# Altium PCB CL-HC-M-V2.1gerber.PcbDoc (part 1 of 18) (continued)
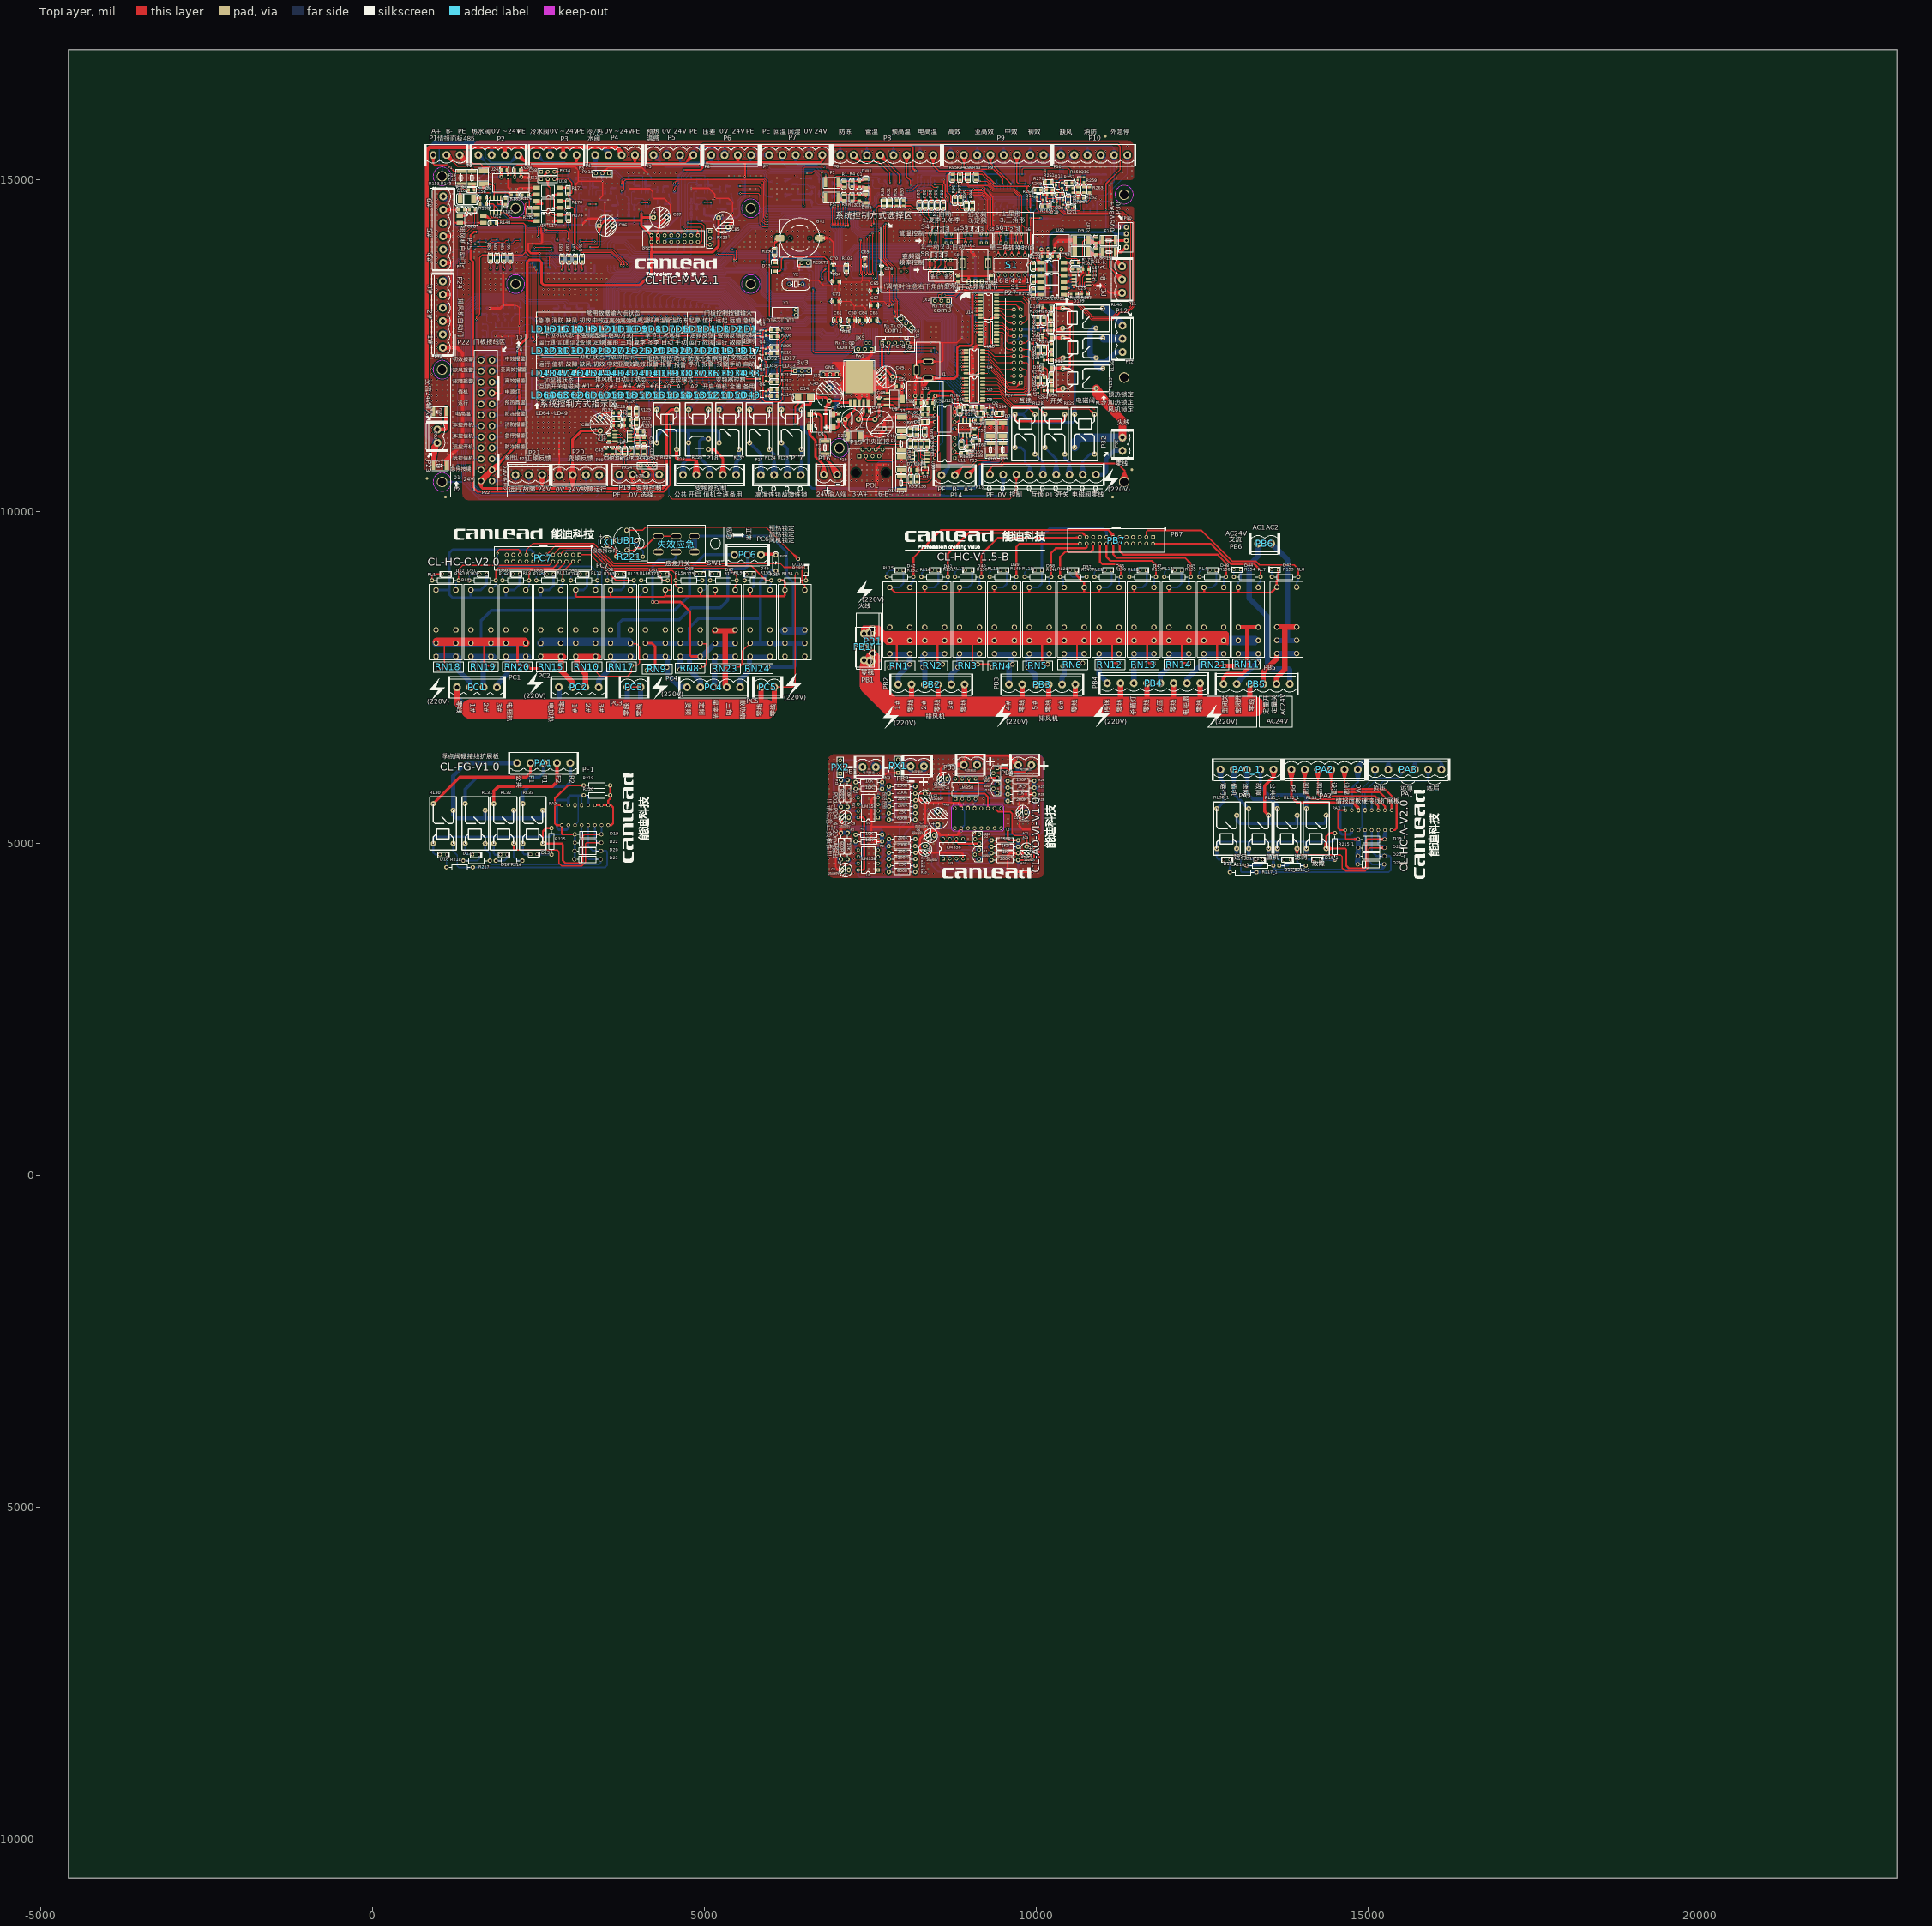
[diagram p0: TopLayer view]
## Components (designator, comment, footprint, x,y, rotation, side; value= is the part's Value field where it differs from the comment) (continued)
OP5 "PS2512-4" SO_16L 1952.76,13835.04 r0 bottom
OP6 "PS2512-4" SO_16L 1974.37,12715.16 r0 bottom
OP7 "PS2512-4" SO_16L 3052.06,12720.09 r0 bottom
OP8 "EL817" EL-817 1316.39,14453.86 r0 top
P1 "" PL3XQ#1 914.75,15370.67 r0 top (schematic designator 485-1)
P2 "热水执行" PL4XQ 1894.08,15370.67 r180 top (schematic designator 热水阀执行1)
P3 "冷水执行" PL4XQ 2774,15370.67 r180 top (schematic designator 冷水阀执行1)
P4 "冷/热水阀" PL4XQ 3653.92,15369.36 r180 top (schematic designator 冷/热水阀1)
P5 "N1000" PL4XQ 4533.84,15370.67 r180 top (schematic designator 预热温感1)
P6 "压差" PL4XQ 5403.92,15369.36 r180 top (schematic designator 压差传感器1)
P7 "回风温湿" PL5XQ 6376.36,15370.67 r180 top (schematic designator 回风温湿传感器1)
P8 "DI-3" PL8XQ 7748.32,15367.06 r0 top (schematic designator P1)
P9 "DI-2" PL8XQ 9410.72,15369.03 r0 top (schematic designator P5)
P10 "DI-1" PL6XQ 10873.71,15369.03 r0 top (schematic designator P9)
P11 "" PL3XQ#2 11295.27,13694.56 r270 top (schematic designator 485-2)
P12 "Header 3" PL3XQ#2 11302.26,12801.51 r270 top locked (schematic designator P25)
P13 "Header 9" PL9XQ 10102.22,10553.66 r0 top (schematic designator 加湿器1)
P14 "Header 4X2" RH45 7508.69,10758.66 r0 top
P15 "Header 3" PL3XQ#2 8572.38,10545.64 r0 top
P16 "power" PL2XQ 6899.97,10553.66 r0 top (schematic designator 24V)
P17 "硬接线" PL4XQ 6151.71,10550.41 r180 top (schematic designator 电柜内部1)
P18 "硬接线" PL5XQ 5077.86,10551.66 r180 top (schematic designator 变频1)
P19 "硬接线" PL4XQ 4019.56,10553.66 r0 top (schematic designator 变频2)
P20 "变频反馈" PL4XQ 3114.81,10549.2 r180 top (schematic designator 变频3)
P21 "工频反馈" PL3XQ#2 2154.81,10549.2 r0 top (schematic designator 电柜内部2)
P22 "硬接线" ATX_24PIN 1635.3,12280.18 r270 top (schematic designator 门控指示灯1)
P23 "硬接线" PL2XQ 977.49,11135.5 r90 top
P24 "自动门" PL6XQ 1058.64,12969.2 r90 top (schematic designator P14)
P25 "自动门" PL6XQ 1064.81,14249.2 r90 top (schematic designator P17)
P26 "Header 8X2" Con2*8-1mm 4201.86,14163.1 r0 top
P27 "Con2*12-1mm" FC24LX 9716.03,12493.88 r90 top
P30 "硬接线" C3-4 11356.69,14134.99 r90 top (schematic designator 220V)
P32 "硬接线" PL2XQ 11300.57,11014.37 r90 top
PA1 "情报面板与电柜输入" pl5xQ 2577.3,6208.41 r0 top (schematic designator 外?)
PA1_1 "情报面板与电柜输入" pl5xQ 13176.6,6111.98 r0 top (schematic designator 外?)
PA2 "模拟-硬连接" PL6XQ 14346.27,6111.98 r180 top (schematic designator 外?)
PA3 "外接情报面板接口1" PL6XQ 15606.6,6111.98 r0 top
PAX "Header 8X2" centipede-16 9122.68,5380.32 r90 bottom (schematic designator P19)
PAX "Header 8X2" centipede-16 3200.51,5425.71 r90 bottom (schematic designator P19)
PAX_1 "Header 8X2" centipede-16 15005.75,5350.38 r90 bottom (schematic designator P19)
PB1 "电流输出" PL2XQ 7482.5,6148.82 r180 top (schematic designator PB2)
PB1 "硬接线" 95-2P 7536.88,7861.85 r90 top (schematic designator AC24Vin2)
PB1' "硬接线" PL3X 7403.74,7758.94 r90 top (schematic designator 客户接线1)
PB2 "电流输出" PL2XQ 8208.14,6159.36 r180 top (schematic designator PB1)
PB2 "Header 6" PL6XQ 8420.57,7393.2 r0 top (schematic designator 客户接线2)
PB3 "电流输出" PL2XQ 9008.14,6181.68 r180 top
PB3 "Header 6" PL6XQ 10090.57,7393.2 r0 top (schematic designator 客户接线3)
PB4 "电流输出" PL2XQ 9828.14,6179.36 r180 top
PB4 "Header 8" PL8XQ 11770.57,7413.2 r0 top (schematic designator 杀菌/停保)
PB5 "硬接线" PL6XQ 13321.23,7400.82 r0 top (schematic designator 客接新?)
PB6 "硬接线" PL2XQ 13442.21,9519.14 r180 top (schematic designator AC24Vin2)
PB7 "Con2*12-1mm" FC24LX 11209.65,9566.19 r180 top (schematic designator P21)
PC1 "Header 4" PL4XQ 1573.04,7352.79 r0 top locked (schematic designator 再热)
PC2 "Header 4" PL4XQ 3108.04,7352.79 r0 top locked (schematic designator 预热)
PC3 "硬接线" PL2XQ 3940.56,7353.85 r180 top locked (schematic designator P24)
PC4 "硬接线" PL5XQ 5139.38,7353.85 r180 top locked (schematic designator 送风机)
PC5 "硬接线" PL2XQ 5952.76,7353.85 r180 top locked (schematic designator P24)
PC6 "Header 3" PL3XQ#2 5452.79,9348.44 r0 top locked (schematic designator 火线)
PC7 "Con2*12-1mm" FC24LX 2570.26,9298.44 r180 top (schematic designator P21)
Pw1 "LM2596-5V" LM2575 7331.74,11835.34 r0 top
PX1 "Header 3" HDR1X3 7918.14,6063.85 r90 top
PX2 "Header 3" HDR1X3 7047.6,6048.82 r90 top
PX14 "Header 3" HDR1X3 2539.14,15120.55 r0 top
PX15 "Header 3" HDR1X3 3564.16,15098.22 r180 top
PX23 "Header 3" HDR1X3 5086.21,14220.32 r270 top
PX24 "Header 3" HDR1X3 4038.92,10691.76 r0 top
Q1 "8050" TO-92-B 9108.14,4835.11 r0 top
Q1 "NPN" SOT23 8327.38,10621.06 r0 top
Q2 "8550" TO-92-B 9111.3,5068 r0 top
Q2 "NPN" SOT23 9301.04,11517.4 r0 top
Q3 "8050" TO-92-B 9386.6,5828 r0 top
Q3 "PNP" SOT23 5882.39,12685.45 r90 top
Q4 "8550" TO-92-B 9386.6,6060.72 r0 top
Q4 "PNP" SOT23 5882.39,12415.45 r90 top
Q5 "PNP" SOT23 5882.39,12000.45 r90 top
Q6 "PNP" SOT23 5882.39,11775.45 r90 top
Q13 "PNP" SOT23 10344.86,14912.6 r90 top (schematic designator Q15)
Q15 "PNP" SOT23 10501.2,14841.87 r90 top
Q16 "PNP" SOT23 10671.12,14998.51 r90 top
Q17 "NPN" SOT23 10074.39,11821.36 r270 top
Q18 "PNP" SOT23 10056.87,14734.56 r90 top
Q19 "PNP" SOT23 10205.39,14725.87 r180 top
Q20 "PNP" SOT23 10354.66,14659.43 r90 top
Q21 "NPN" SOT23 10074.39,12281.37 r270 top
Q22 "NPN" SOT23 10070.34,12727.82 r270 top
R1 "200K" AXIAL0.4 8177.61,4958.99 r180 top
R1 "20.5K" 0805R#1 7102.76,14975.04 r270 top
R2 "10K" AXIAL0.4 7676.5,5030.24 r180 top
R2 "20.5K" 0805R#1 6321.73,14697 r90 bottom
R3 "10K" AXIAL0.4 7678.07,5130.25 r180 top
R3 "20.5K" 0805R#1 7053.81,15002.19 r270 bottom
R4 "200K" AXIAL0.4 8180.05,4859.36 r180 top
R4 "10K" 0805R#1 7222.76,14895.04 r90 top
R5 "200K" AXIAL0.4 7780.58,5065.87 r0 top
R5 "10K" 0805R#1 6410.11,14782 r270 bottom
R6 "200K" AXIAL0.4 7780.58,4765.87 r0 top
R6 "10K" 0805R#1 7149.13,14917.19 r90 bottom
R7 "10K" AXIAL0.4 7157.77,4760.41 r90 top
R7 "20.5K" 0805R#1 7028.04,14684.21 r90 bottom
R8 "250" AXIAL0.4 7780.58,4665.87 r0 top
R8 "20.5K" 0805R#1 7102.76,14775.04 r270 top
R9 "600R" AXIAL0.4 7058.14,5159.36 r270 top
R9 "20.5K" 0805R#1 6313.23,14934.91 r90 bottom
R10 "600R" AXIAL0.4 8178.14,4569.36 r180 top
R10 "10K" 0805R#1 10978.86,15083.5 r270 bottom
R11 "200K" AXIAL0.4 8178.14,5749.36 r180 top
R11 "10K" 0805R#1 7138.04,14774.21 r270 bottom
R12 "10K" AXIAL0.4 7676.5,5820.25 r180 top
R12 "10K" 0805R#1 7222.76,14685.04 r90 top
R13 "10K" AXIAL0.4 7678.07,5920.25 r180 top
R13 "10K" 0805R#1 6401.61,15017.82 r270 bottom
R14 "200K" AXIAL0.4 8180.05,5649.36 r180 top
R14 "10K" 0805R#1 11063.86,15083.5 r270 bottom
R15 "200K" AXIAL0.4 7780.05,5855.5 r0 top
R15 "10K" 0805R#1 7535.63,15083.78 r270 bottom
R16 "200K" AXIAL0.4 7780.58,5555.87 r0 top
R16 "10K" 0805R#1 3222.38,14213.36 r270 bottom
R17 "10K" AXIAL0.4 7157.77,5550.41 r90 top
R17 "10K" 0805R#1 3047.38,14213.36 r270 bottom
R18 "250" AXIAL0.4 7780.05,5455.5 r0 top
R18 "10K" 0805R#1 10804.71,15083.5 r270 bottom
R19 "600R" AXIAL0.4 7058.14,5949.36 r270 top
R19 "10K" 0805R#1 10893.86,15083.5 r270 bottom
R20 "600R" AXIAL0.4 8178.14,5359.36 r180 top
R20 "10K" 0805R#1 10633.86,15083.5 r270 bottom
R21 "200K" AXIAL0.4 9727.61,4748.99 r180 top
R21 "10K" 0805R#1 10718.86,15083.5 r270 bottom
R22 "150R" AXIAL0.4 9728.66,5046.48 r180 top
R22 "10K" 0805R#1 10466.61,15080.04 r270 bottom
R23 "1K5" AXIAL0.4 9727.61,4948.99 r180 top
R23 "10K" 0805R#1 10549.71,15083.5 r270 bottom
R24 "1K" AXIAL0.4 9728.14,4852.14 r180 top
R24 "10K" 0805R#1 9749.84,15083.5 r270 bottom
R25 "200K" AXIAL0.4 9970.29,5638.99 r180 top
R25 "10K" 0805R#1 9834.84,15083.5 r270 bottom
R26 "150R" AXIAL0.4 9970.29,5938.99 r180 top
R26 "10K" 0805R#1 9575.69,15083.5 r270 bottom
R27 "1K5" AXIAL0.4 9970.29,5838.99 r180 top
R27 "10K" 0805R#1 9664.84,15083.5 r270 bottom
R28 "1K" AXIAL0.4 9971.34,5739.36 r180 top
R28 "10K" 0805R#1 9404.84,15083.5 r270 bottom
R29 "10K" 0805R#1 9489.84,15083.5 r270 bottom
R30 "10K" 0805R#1 9234.84,15083.5 r270 bottom
R31 "10K" 0805R#1 9320.69,15083.5 r270 bottom
R32 "10K" 0805R#1 8062.81,15080.95 r270 bottom
R33 "10K" 0805R#1 8152.81,15080.95 r270 bottom
R34 "10K" 0805R#1 7882.81,15080.95 r270 bottom
R35 "10K" 0805R#1 7972.81,15080.95 r270 bottom
R36 "0R" 0805R#1 7166.44,12768.25 r180 top
R37 "10K" 0805R#1 7712.81,15080.95 r270 bottom
R38 "10K" 0805R#1 7797.81,15080.95 r270 bottom
R39 "10K" 0805R#1 7706.97,14690.85 r270 top
R40 "10K" 0805R#1 3157.38,13762.95 r90 top
R41 "10K" 0805R#1 3057.38,13762.95 r90 top
R42 "10K" 0805R#1 10021.99,14504.06 r270 bottom
R43 "10K" 0805R#1 10110.9,14504.55 r270 bottom
R44 "10K" 0805R#1 10198.82,14504.06 r270 bottom
R45 "10K" 0805R#1 10426.02,14626.55 r270 bottom
R46 "10K" 0805R#1 10306.61,14995.04 r90 bottom
R47 "10K" 0805R#1 10211.61,14995.04 r90 bottom
R48 "10K" 0805R#1 10111.61,14995.04 r90 bottom
R49 "10K" 0805R#1 10016.61,14995.04 r90 bottom
R50 "10K" 0805R#1 7996.53,14692.61 r270 top
R51 "10K" 0805R#1 7896.53,14692.61 r270 top
R52 "10K" 0805R#1 7796.53,14691.5 r270 top
R53 "10K" 0805R#1 2697.38,14213.36 r270 bottom
R54 "10K" 0805R#1 2782.38,14213.36 r270 bottom
R55 "10K" 0805R#1 2867.38,14213.36 r270 bottom
R56 "10K" 0805R#1 2957.38,14213.36 r270 bottom
R57 "10K" 0805R#1 1622.38,14213.36 r270 bottom
R58 "10K?" 0805R#1 8099.85,11061.48 r270 top
R59 "3K" 0805R#1 8112.38,10528.36 r270 top
R60 "3K" 0805R#1 8099.85,11243.83 r270 top
R61 "1K" 0805R#1 8321.76,11238.69 r270 top
R62 "1K" 0805R#1 8267.38,11058.36 r270 top
R63 "3K" 0805R#1 8182.38,11058.15 r270 top
R64 "10K" 0805R#1 1707.38,14213.36 r270 bottom
R65 "10K" 0805R#1 1792.38,14214.57 r270 bottom
R66 "0R" 0805R#2 8326.08,11459.06 r0 top
R67 "0R" 0805R#2 8328.05,11542.58 r0 top
R68 "10K" 0805R#1 3257.76,13065.04 r270 bottom
R69 "10K" 0805R#1 3077.76,13065.04 r270 bottom
R70 "10K" 0805R#1 2987.76,13065.04 r270 bottom
R71 "10K" 0805R#1 2807.76,13065.04 r270 bottom
R72 "10K" 0805R#1 1877.38,14214.57 r270 bottom
R73 "10K" 0805R#1 1962.38,14213.36 r270 bottom
R74 "10K" 0805R#1 2047.38,14213.36 r270 bottom
R75 "10K" 0805R#1 3355.43,12864.42 r0 bottom
R76 "10K" 0805R#1 3355.43,12771.07 r0 bottom
R77 "10K" 0805R#1 3355.43,12677.73 r0 bottom
R78 "10K" 0805R#1 3355.43,12584.39 r0 bottom
R79 "10K" 0805R#1 2132.38,14213.36 r270 bottom
R80 "10K" 0805R#1 2217.38,14213.36 r270 bottom
R81 "10K" 0805R#1 2857.38,13764.63 r90 top (schematic designator R24)
R82 "10K" 0805R#1 8332.76,14660.04 r270 top
R83 "10K" 0805R#1 8242.76,14575.04 r90 top
R84 "10K" 0805R#1 9037.16,14564.72 r90 top
R85 "10K" 0805R#1 8949.03,14564.72 r90 top
R86 "10K" 0805R#1 8972.9,15079.42 r270 top
R87 "10K" 0805R#1 2957.38,13764.63 r90 top
R88 "10K" 0805R#1 1777.76,13778.36 r90 top
R89 "10K" 0805R#1 1877.38,13778.36 r90 top
R90 "10K" 0805R#1 1977.38,13778.36 r90 top
R91 "10K" 0805R#1 2077.38,13778.36 r90 top
R92 "10K" 0805R#1 8597.76,14575.04 r90 top
R93 "10K" 0805R#1 9092.15,14994.52 r90 top
R94 "10K" 0805R#1 8853.64,14994.52 r90 top
R95 "10K" 0805R#1 8734.38,14994.52 r90 top
R96 "10K" 0805R#1 8775.9,14732.19 r270 top
R97 "10K" 0805R#1 8862.78,14732.19 r270 top
R98 "10K" 0805R#1 8422.76,14575.04 r90 top
R99 "10K" 0805R#1 8512.76,14575.04 r90 top
R100 "104" 0805R#1 3755.56,14878.96 r180 bottom
R101 "104" 0805R#1 3757.13,14769.55 r180 bottom
R102 "10K可调" RES_ADJ 9082.56,13463.49 r0 top
R103 "0R" 0805R#1 7140.49,13707.58 r270 top
R104 "104" 0805R#1 4547.57,14901.22 r180 bottom
R105 "104" 0805R#1 4550.54,14790.41 r180 bottom
R106 "104" 0805R#1 3587.74,14880.36 r180 bottom
R107 "104" 0805R#1 3602.74,14616.21 r270 bottom
R108 "104" 0805R#1 4381.15,14901.22 r180 bottom
R109 "10K" 0805R#1 9332.63,13466.17 r90 top
R110 "104" 0805R#1 4396.15,14637.07 r270 bottom
R111 "103" 0805R#1 3402.74,14975.36 r270 bottom
R112 "103" 0805R#1 3067.74,14800.36 r0 bottom
R113 "103" 0805R#1 4196.15,14996.22 r270 bottom
R114 "103" 0805R#1 3861.15,14821.22 r0 bottom
R115 "20.5K" 0805R#1 3152.74,14603.1 r180 bottom
R116 "20.5K" 0805R#1 3946.15,14623.96 r180 bottom
R117 "20.5K" 0805R#1 3317.74,14890.36 r180 bottom
R118 "20.5K" 0805R#1 4111.15,14911.22 r180 bottom
R119 "100" 0805R#1 3067.74,14990.36 r0 bottom
R120 "100" 0805R#1 3152.74,14700.17 r180 bottom
R121 "100" 0805R#1 3861.15,15011.22 r0 bottom
R122 "100" 0805R#1 3946.15,14721.03 r180 bottom
R123 "104" 0805R#1 5488.28,14905.93 r180 bottom
R124 "104" 0805R#1 5491.25,14795.12 r180 bottom
R125 "104" 0805R#1 3980.25,11550.95 r270 top
R126 "104" 0805R#1 3870.84,11552.52 r270 top
R127 "104" 0805R#1 5321.86,14905.93 r180 bottom
R128 "104" 0805R#1 5336.86,14641.78 r270 bottom
R129 "104" 0805R#1 3981.65,11383.14 r270 top
R130 "104" 0805R#1 3717.5,11398.14 r180 top
R131 "103" 0805R#1 5136.86,15000.93 r270 bottom
R132 "103" 0805R#1 4801.86,14825.93 r0 bottom
R133 "103" 0805R#1 4076.65,11198.14 r180 top
R134 "103" 0805R#1 3901.65,10863.14 r90 top
R135 "20.5K" 0805R#1 4886.86,14628.67 r180 bottom
R136 "20.5K" 0805R#1 3704.39,10948.14 r270 top
R137 "20.5K" 0805R#1 5051.86,14915.93 r180 bottom
R138 "20.5K" 0805R#1 3991.65,11113.14 r270 top
R139 "100" 0805R#1 4801.86,15015.93 r0 bottom
R140 "100" 0805R#1 4886.86,14725.74 r180 bottom
R141 "100" 0805R#1 4091.65,10863.14 r90 top
R142 "100" 0805R#1 3801.46,10948.14 r270 top
R143 "10K" 0805R#1 1543.68,14545.33 r180 top
R144 "10K" 0805R#1 1636.89,13065.24 r270 bottom
R145 "10K" 0805R#1 1886.89,13065.36 r270 bottom
R146 "10K" 0805R#1 2056.89,13066.36 r270 bottom
R147 "10K" 0805R#1 2227.76,13065.04 r270 bottom
R147 "15K" AXIAL0.4 10759.64,9016.19 r180 top
R148 "10K" 0805R#1 1776.13,14346.15 r0 top
R148 "15K" AXIAL0.4 9827.07,9016.56 r0 top
R149 "10K" 0805R#1 1648.79,12826.25 r180 bottom
R149 "15K" AXIAL0.4 9300.91,9016.19 r0 top
R150 "10K" 0805R#1 1647.86,12729.49 r180 bottom
R150 "15K" AXIAL0.4 8775.28,9016.19 r0 top
R151 "10K" 0805R#1 1648.79,12634.75 r180 bottom
R151 "15K" AXIAL0.4 8270.17,9016.19 r0 top
R152 "10K" 0805R#1 1650.88,12557.34 r180 bottom
R152 "15K" AXIAL0.4 7750.17,9016.56 r0 top
R153 "10K" 0805R#1 1381.07,14546.26 r180 top
R153 "15K" AXIAL0.4 13550.17,9016.92 r0 top
R154 "10K" 0805R#1 1721.89,12980.24 r90 bottom
R154 "15K" AXIAL0.4 12980.17,9016.56 r0 top
R155 "10K" 0805R#1 1799.26,12980.36 r90 bottom
R155 "15K" AXIAL0.4 11929.07,9016.19 r0 top
R156 "10K" 0805R#1 1970.39,12980.36 r90 bottom
R156 "15K" AXIAL0.4 10878.33,9016.56 r0 top
R157 "10K" 0805R#1 2142.5,12980.24 r90 bottom
R157 "15K" AXIAL0.4 11403.96,9016.56 r0 top
R158 "30K" 0805R#1 8206.95,10446.03 r90 top
R158 "15K" AXIAL0.4 12460.17,9016.56 r0 top
R159 "3K" 0805R#1 8352.38,11058.36 r270 top
R159 "15K" AXIAL0.4 5608.3,8963.54 r0 top locked
R160 "1K" 0805R#1 8359.67,11348.36 r180 top
R160 "15K" AXIAL0.4 1958.3,8963.54 r0 top locked
R161 "1K" 0805R#1 8960.76,10872.99 r180 top
R161 "15K" AXIAL0.4 1458.3,8963.54 r0 top locked
R162 "3K" 0805R#1 8849.03,11563.66 r270 top
R162 "15K" AXIAL0.4 898.3,8963.54 r0 top locked
R163 "30K" 0805R#1 9201.04,11471.14 r180 top
R163 "15K" AXIAL0.4 3538.3,8963.54 r0 top locked
R164 "3K" 0805R#1 9488.75,11476.82 r180 top
R164 "15K" AXIAL0.4 2988.3,8963.54 r0 top locked
R165 "3K" 0805R#1 9082.38,11373.66 r0 top
R165 "15K" AXIAL0.4 2468.3,8963.54 r0 top locked
R166 "1K" 0805R#1 9008.65,11563.66 r180 top
R167 "3K" 0805R#1 9133.56,11058.15 r180 top
R168 "10K?" 0805R#1 8874.29,10963.36 r90 top
R169 "3K" 0805R#1 9045.76,10968.36 r180 top
R170 "1K" 0805R#1 2947.38,14678.36 r270 top
R171 "1K" 0805R#1 2947.38,14879.27 r270 top
R171 "15K" AXIAL0.4 4447.39,8962.8 r180 top locked
R172 "1K" 0805R#1 9954.79,13457.31 r90 top
R173 "1K" 0805R#1 9954.44,13653.1 r90 top
R174 "1K" 0805R#1 2954.07,14389.76 r90 top
R175 "1K" 0805R#1 9957.13,13353.69 r270 top
R175 "15K" AXIAL0.4 4967.74,8962.8 r180 top locked
R176 "1K" 0805R#1 2253.82,14769.93 r0 top
R177 "1K" 0805R#1 10632.67,13750.76 r180 top
R177 "15K" AXIAL0.4 5088.44,8963.54 r0 top locked
R178 "1K" 0805R#1 2363.32,14480.18 r90 top
R179 "1K" 0805R#1 10523.81,13270.23 r0 top
R180 "30K" 0805R#1 1620.38,14632.63 r0 top
R181 "30K" 0805R#1 10546.43,13653.06 r0 top
R182 "3K" 0805R#1 2002.4,14629.18 r90 top
R183 "3K" 0805R#1 10774.2,13272.25 r180 top
R184 "10K?" 0805R#1 1534.6,14846.7 r180 top
R185 "3K" 0805R#1 2176.49,14769.93 r180 top
R186 "10K?" 0805R#1 10900.45,13958.72 r270 top
R187 "3K" 0805R#1 10900.45,14130.98 r270 top
R188 "1M" 0805R#1 6424.88,13538.37 r180 bottom
R189 "10K" 0805R#1 6275.43,13748.37 r0 bottom
R190 "10K" 0805R#1 6060.46,13869.25 r90 top
R191 "1K" 0805R#1 5163.5,13071.09 r270 bottom
R192 "1K" 0805R#1 5072.28,13071.09 r270 bottom
R193 "1K" 0805R#1 4981.05,13071.09 r270 bottom
R194 "1K" 0805R#1 4889.82,13071.09 r270 bottom
R195 "1K" 0805R#1 4798.6,13071.09 r270 bottom
R196 "1K" 0805R#1 4707.37,13071.09 r270 bottom
R197 "1K" 0805R#1 4616.14,13071.09 r270 bottom
R198 "1K" 0805R#1 4524.92,13071.09 r270 bottom
R199 "1K" 0805R#1 4433.69,13071.09 r270 bottom
R200 "1K" 0805R#1 4342.46,13071.09 r270 bottom
R201 "1K" 0805R#1 4251.24,13071.09 r270 bottom
R202 "1K" 0805R#1 4160.01,13071.09 r270 bottom
R203 "1K" 0805R#1 4068.79,13071.09 r270 bottom
R204 "1K" 0805R#1 3977.56,13071.09 r270 bottom
R205 "1K" 0805R#1 3886.33,13071.09 r270 bottom
R206 "1K" 0805R#1 3795.11,13071.09 r270 bottom
R207 "10K" 0805R#1 6011.13,12740.98 r0 top
R208 "3K" 0805R#1 6011.13,12635.98 r0 top
R209 "10K" 0805R#1 6011.13,12475.98 r0 top
R210 "3K" 0805R#1 6011.13,12380.98 r0 top
R211 "10K" 0805R#1 6011.13,12040.98 r0 top
R212 "3K" 0805R#1 6011.13,11950.98 r0 top
R213 "10K" 0805R#1 6011.13,11835.98 r0 top
R214 "3K" 0805R#1 6011.13,11735.98 r0 top
R215 "15K" AXIAL0.4 2696.39,4831.15 r90 top (schematic designator R174)
R215_1 "15K" AXIAL0.4 14501.63,4755.82 r90 top (schematic designator R174)
R216 "15K" AXIAL0.4 1857.28,4741 r0 top (schematic designator R173)
R216_1 "15K" AXIAL0.4 13662.52,4665.67 r0 top (schematic designator R173)
R217 "15K" AXIAL0.4 1367.28,4741 r0 top (schematic designator R172)
R217_1 "15K" AXIAL0.4 13172.52,4665.67 r0 top (schematic designator R172)
R218 "15K" AXIAL0.4 1113.26,4641 r0 top (schematic designator R169)
R218_1 "15K" AXIAL0.4 12918.5,4565.67 r0 top (schematic designator R169)
R219 "100K" AXIAL0.4 3580.4,5872.18 r180 top (schematic designator R173)
R220 "20K" AXIAL0.4 3580.4,5723.51 r180 top (schematic designator R173)
R221 "51K 2512 1W" AXIAL0.4 3673.71,9319.75 r0 top (schematic designator R179)
R249 "10K" 0805R#1 7625.17,15082.24 r270 bottom
R250 "10K" 0805R#1 3307.38,14213.36 r270 bottom
R251 "10K" 0805R#1 3132.38,14213.36 r270 bottom
R252 "10K" 0805R#1 3347.76,13065.04 r270 bottom
R253 "10K" 0805R#1 3167.76,13065.04 r270 bottom
R254 "10K" 0805R#1 2897.76,13065.04 r270 bottom
R255 "10K" 0805R#1 2717.76,13065.04 r270 bottom
R257 "10K" 0805R#1 10454.2,14950.21 r0 top
R258 "10K" 0805R#1 10627.16,14889.46 r270 top
R259 "10K" 0805R#1 10717.38,14805.35 r90 top
R260 "3K" 0805R#1 10028.13,11930.36 r90 top
R261 "3K" 0805R#1 10224.57,14966.99 r180 top
R262 "3K" 0805R#1 10625.95,14718.75 r0 top
R263 "3K" 0805R#1 10804.69,14891.55 r270 top
R264 "15K" 0805R#1 10228.39,12070.36 r270 top
R265 "10K" 0805R#1 10174.33,14599.72 r180 top
R266 "10K" 0805R#1 10312.37,14771.75 r0 top
R267 "10K" 0805R#1 10483.63,14744.07 r270 top
R268 "3K" 0805R#1 10028.13,12475.37 r270 top
R269 "3K" 0805R#1 10069.14,14847.28 r180 top
R270 "3K" 0805R#1 10243.53,14847.28 r180 top
R271 "3K" 0805R#1 10485.16,14583.11 r0 top
R272 "15K" 0805R#1 10226.39,12528.37 r270 top
R275 "3K" 0805R#1 10120.65,12015.36 r270 top (schematic designator R261)
R276 "3K" 0805R#1 10120.65,12475.37 r270 top (schematic designator R261)
R283 "3K" 0805R#1 10024.08,12921.82 r270 top
R284 "3K" 0805R#1 10116.6,12921.82 r270 top
R285 "15K" 0805R#1 10222.34,12974.82 r270 top
R292 "15K" AXIAL0.4 6131.82,8963.54 r0 top locked
RESET1 "RESET" SIP2 6512.64,13742.64 r180 top
RL1 "三级预热" HF115-5#1 1107.25,8317.3 r0 top locked
RL2 "二级预热" HF115-5#1 1633.12,8317.3 r0 top locked
RL3 "一级预热" HF115-5#1 2158.99,8317.3 r0 top locked
RL4 "送风机散热风扇" HF115-5#1 12675.23,8356.66 r0 top
RL5 "送风机定频起停" HF115-5#1 4788.36,8317.3 r0 top locked
RL6 "送风机变频起停" HF115-5#1 4262.49,8317.3 r0 top locked
RL7 "新风密闭执行" HF115-5#1 13195.26,8357.78 r0 top
RL8 "新风定量执行" HF115-5#1 13774.63,8360.4 r0 top
RL9 "星三角切换" HF115-5#1 5314.24,8317.3 r0 top locked
RL10 "电柜散热风扇" HF115-5#1 5840.11,8317.3 r0 top locked
RL11 "三级再热" HF115-5#1 2684.87,8317.3 r0 top locked
RL12 "二级再热" HF115-5#1 3210.74,8317.3 r0 top locked
RL13 "一级再热" HF115-5#1 3736.61,8317.3 r0 top locked
RL14 "负压排风" HF115-5#1 12149.6,8356.66 r0 top
RL15 "6#排风机" HF115-5#1 7944.54,8356.66 r0 top
RL16 "5#排风机" HF115-5#1 8470.17,8356.66 r0 top
RL17 "4#排风机" HF115-5#1 8995.81,8356.66 r0 top
RL18 "3#排风机" HF115-5#1 9521.44,8356.66 r0 top
RL19 "2#排风机" HF115-5#1 10047.07,8356.66 r0 top
RL20 "1#排风机" HF115-5#1 10572.7,8356.66 r0 top
RL21 "停机保护" HF115-5#1 11098.34,8356.66 r0 top
RL22 "杀菌灯" HF115-5#1 11623.97,8356.66 r0 top
RL23 "->缺风故障" RELAY12V 6562.76,10935.04 r90 top
RL24 "->高温故障" RELAY12V 6082.76,10935.04 r90 top
RL25 "POL->变频值机" RELAY12V-5 5162.76,10935.04 r90 top
RL26 "POL->变频开启" RELAY12V 4682.76,10935.04 r90 top
RL27 "POL->加湿电磁阀" RELAY12V 10979.6,10863.92 r90 top
RL28 "POL->加湿互锁" RELAY12V 10081.53,10863.66 r90 top
RL29 "POL->加湿开关" RELAY12V 10531.53,10863.66 r90 top
RL30 "POL->运行监控" RELAY12V 816.03,5598.5 r270 top (schematic designator RL33)
RL30_1 "POL->运行监控" RELAY12V 12621.27,5523.17 r270 top (schematic designator RL33)
RL31 "POL->值机监控" RELAY12V 1296.76,5598.5 r270 top (schematic designator RL32)
RL31_1 "POL->值机监控" RELAY12V 13102,5523.17 r270 top (schematic designator RL32)
RL32 "POL->加湿电磁阀" RELAY12V 1726.43,5598.5 r270 top (schematic designator RL31)
RL32_1 "POL->加湿电磁阀" RELAY12V 13531.67,5523.17 r270 top (schematic designator RL31)
RL33 "POL->加湿电磁阀" RELAY12V 2165.15,5598.5 r270 top (schematic designator RL30)
RL33_1 "POL->加湿电磁阀" RELAY12V 13970.39,5523.17 r270 top (schematic designator RL30)
RL34 "星三角切换" HF115-5#2 6364.61,8317.3 r180 top locked
RL35 "风机锁定" RELAY12V 11004.37,12255 r180 top
RL36 "加热锁定" RELAY12V 11004.37,12715.01 r180 top
RL37 "POL->变频备用" RELAY12V 5622.76,10935.04 r90 top
RL40 "预热锁定" RELAY12V 11000.31,13161.46 r180 top
RN1 "1D471" RAD0.3#1 7940.57,7673.2 r180 top
RN2 "1D471" RAD0.3#1 8441.07,7674.92 r0 top
RN3 "1D471" RAD0.3#1 8968.19,7674.92 r0 top
RN4 "1D471" RAD0.3#1 9490.57,7673.2 r180 top
RN5 "1D471" RAD0.3#1 10022.42,7674.92 r0 top
RN6 "1D471" RAD0.3#1 10550.57,7693.2 r0 top
RN8 "1D471" RAD0.3#1 4782.54,7639.92 r0 top locked
RN9 "1D471" RAD0.3#1 4286.17,7628.45 r180 top locked
RN10 "1D471" RAD0.3#1 3229.61,7659.25 r0 top locked
RN11 "1D471" RAD0.3#1 13179.59,7697.76 r180 top
RN12 "1D471" RAD0.3#1 11110.57,7693.2 r0 top
RN13 "1D471" RAD0.3#1 11620.57,7693.2 r0 top
RN14 "1D471" RAD0.3#1 12150.57,7693.2 r0 top
RN15 "1D471" RAD0.3#1 2689.61,7659.25 r180 top locked
RN17 "1D471" RAD0.3#1 3749.61,7659.25 r0 top locked
RN18 "1D471" RAD0.3#1 1141.05,7658.6 r180 top locked
RN19 "1D471" RAD0.3#1 1669.61,7659.25 r0 top locked
RN20 "1D471" RAD0.3#1 2179.61,7659.25 r0 top locked
RN21 "1D471" RAD0.3#2 12680.57,7693.2 r0 top
RN23 "1D471" RAD0.3#1 5314.3,7635.16 r0 top locked
RN24 "1D471" RAD0.3#1 5808.93,7635.16 r0 top locked
S1 "星三角时间" DIP10 9632.76,13715.04 r180 top
S4 "水温手动开关" SEL3-MIN 8562.76,14115.04 r0 top locked
S5 "定/变频" SEL3-MIN 9092.76,14115.04 r0 top locked
S6 "星三角选择" SEL3-MIN 9622.76,14115.04 r0 top locked
S8 "SW-SPDT" SEL3-MIN 8552.76,13725.04 r0 top locked
U1 "LM358" DIP8 7617.03,4599.36 r180 top
U1 "LM358" SOP-08 3342.74,14663.68 r0 bottom
U2 "LM358" DIP8 7617.03,5389.36 r180 top
U2 "165N" SO_16 2487.38,12745.5 r90 bottom
U3 "LM358" DIP8 8598.14,4768.99 r90 top
U3 "2003" SO_16 9069.27,11834.99 r270 top
U4 "LM358" DIP8 8785.07,5669.36 r90 top
U4 "2003" SO_16 9069.27,12258.43 r270 top
U5 "LM358" SOP-08 4136.15,14684.54 r0 bottom
U6 "LM358" SOP-08 5076.86,14689.25 r0 bottom
U7 "LM358" SOP-08 3764.97,11138.14 r90 top
U8 "2003" SO_16 2432.37,12261.08 r270 bottom
U9 "LT1117-3.3" AMS1117 7744.3,11696.59 r270 top
U10 "U485" SOP8 8242.38,10818.36 r90 top
U11 "6N137" DIP8 8772.38,10803.36 r180 top
U12 "6N137" DIP8 8472.38,11548.36 r0 top
U13 "U485" SOP8 8924.03,11258.36 r180 top
U14 "2003" SO_16 9278.63,13092.5 r270 top
U15 "2003" SO_16 9278.63,12679.54 r270 top
U16 "EL817" EL-817 2468.96,14474.76 r0 top
U17 "EL817" EL-817 2823.29,14577.96 r180 top
U18 "EL817" EL-817 2823.29,14779.56 r180 top
U19 "EL817" EL-817 10416.97,13268.09 r180 top
U20 "EL817" EL-817 10062.37,13558.29 r0 top
U21 "EL817" EL-817 10062.37,13750.26 r0 top
U22 "U485" SOP8 1854.78,14615.9 r0 top
U23 "U485" SOP8 10680.81,13485.1 r270 top
U24 "DCDC05" VScore 2240.37,15043.36 r180 top
U25 "2003" SO_16 2432.37,11791.61 r270 bottom
U26 "2003" SO_16 3517.74,13835.04 r180 bottom
U27 "2003" SO_16 6035.95,11943.83 r0 bottom
U28 "165N" SO_16 2467.69,13863.36 r90 bottom
U29 "165N" SO_16 8392.38,14873.36 r0 bottom
U30 "165N" SO_16 8889.38,14869.42 r0 bottom
U31 "165N" SO_16 10146.61,14738.63 r0 bottom
U32 "DCDC05" VScore 10078.34,13950.07 r0 top
U33 "STM32F103ZET6" LQFP144 6841.28,12850.93 r0 bottom
U52 "DCDC05" VScore 8177.95,11739.99 r0 top
UB1 "DB107S" BRI-W04 3827.91,9566.86 r0 top locked (schematic designator U1X)
Y1 "32.768K" XTAL4 6378.31,13039.29 r270 top
Y2 "8M" XAL2 6280.43,13425.53 r0 top
失效应急 "Header 6" SW220V 4579.47,9510.94 r0 top locked

## Footprints (in the part's own frame and the unit in brackets; to place one, negate y for a bottom-side part, rotate by r counter-clockwise, add the part's x,y. Pads: shape width x height; smd on the part's side, far side on the other; paste and mask are expansions set on the pad)
95-2P [mm]
  round 2.5 hole 1.8: 1(0,0) 2(9.5,0)
  silkscreen extent -6,-3.3 15.5,6.28
0805_B [mil]
  rect 50x50 smd: A(0,0) K(80,0)
  silkscreen extent -40,-40 135,40
0805R#1 [mil]
  rrect30% 40x50 smd: 1(0,0) 2(85,0)
  silkscreen extent -32,-38 117,38, body extent 3,-25 82,25, height 30
0805R#2 [mil]
  rrect30% 40x50 smd: 1(-42.5,0) 2(42.5,0)
  silkscreen extent -75,-38 75,38, body extent -39,-25 40,25, height 30
1206AK [mil]
  rect 50x60 smd: A(-65,0) K(65,0)
  silkscreen extent -105,-45 118,45
1206AK1 [mil]
  rect 50x60 smd: 1(-65,0) 2(65,0)
  silkscreen extent -105,-45 118,45
AMS1117 [mm]
  rect 0.7x2 smd: 1(-2.3,0) 2(0,0) 3(2.3,0)
  rect 3x2 smd: 2(0,6)
  silkscreen extent -3.5,1.23 3.5,4.73, body extent -3.25,-0.48 3.25,6.48, height 1.7
ATX_24PIN [mm]
  round 2.54 hole 1.6: 1(0,0) 2(0,4.2) 3(4.2,0) 4(4.2,4.2) 5(8.4,0) 6(8.4,4.2) 7(12.6,0) 8(12.6,4.2) 9(16.8,0) 10(16.8,4.2) 11(21,0) 12(21,4.2) 13(25.2,0) 14(25.2,4.2) 15(29.4,0) 16(29.4,4.2) 17(33.6,0) 18(33.6,4.2) 19(37.8,0) 20(37.8,4.2) 21(42,0) 22(42,4.2) 23(46.2,0) 24(46.2,4.2)
  silkscreen extent -3.82,-2.51 50.01,7.1
AXIAL0.4 [mil]
  round 65 hole 32: 1(-0.53,-0.37) 2(399.47,-0.37)
  silkscreen extent 39,-40 359,40, body extent -12,-45 412,46, height 116
BAT [mm]
  oct 2.5x4 smd: 1(0,0)
  oval 2.5x4 smd: 2(0,-15.24)
  round 1.5 hole 1.5: ""(-0.025,-3.87)
  round 1.1 hole 1.1: ""(0,-11.37)
  silkscreen extent -7.62,-15.19 7.62,-0.05
Brg [mm]
  rect 2x2 smd: 1(-4.375,2.5)
  rect 2.2x2.2 smd: 2(-4.375,-2.5) 3(4.375,-2.5) 4(4.225,2.5)
  silkscreen extent -4,-4.3 3.8,4.3, body extent -3.27,-4.3 3.8,4.3, height 7
BRI-W04 [mil]
  round 75 hole 45: 1(0,150) 2(0,-150) 3(-150,0) 4(150,0)
  silkscreen extent -200,-200 200,200
C3-4 [mm]
  round 2 hole 1: 1(-3.81,0) 2(-1.27,0) 3(1.27,0) 4(3.81,0)
  silkscreen extent -5.71,-2.54 5.71,2.79, body extent -5.79,-2.62 5.79,2.87, height 10
C0805 [mil]
  rrect30% 40x50 smd: 1(-42.5,0) 2(42.5,0)
  silkscreen extent -75,-38 75,38, body extent -39,-25 39,25, height 30
c0805 [mil]
  rrect30% 40x50 smd: 1(-42.5,0) 2(42.5,0)
  silkscreen extent -75,-38 75,38, body extent -39,-25 39,25, height 30
C0805C [mil]
  rrect30% 40x50 smd: 1(-42.5,0) 2(42.5,0)
  silkscreen extent -75,-38 75,38, body extent -39,-25 39,25, height 30
centipede-16 [mil]
  round 55 hole 36: 1(150,-350) 2(-150,-350) 3(150,-250) 4(-150,-250) 6(-150,-150) 8(-150,-50) 9(150,50) 10(-150,50) 11(150,150) 12(-150,150) 13(150,250) 14(-150,250) 15(150,350) 16(-150,350)
  oval 70x50 hole 36: 5(150,-150) 7(150,-50)
Con2*8-1mm [mm]
  rect 1.5x1.5 hole 1: 1(0,0)
  round 1.5 hole 1: 2(0,-2.54) 3(2.54,0) 4(2.54,-2.54) 5(5.08,0) 6(5.08,-2.54) 7(7.62,0) 8(7.62,-2.54) 9(10.16,0) 10(10.16,-2.54) 11(12.7,0) 12(12.7,-2.54) 13(15.24,0) 14(15.24,-2.54) 15(17.78,0) 16(17.78,-2.54)
  silkscreen extent -3.17,-4.45 20.32,3.81
CZ5-2.54 [mm]
  rect 1.5x1.5 hole 0.9: 1(0,0)
  round 1.5 hole 0.9: 2(2.5,0) 3(5,0) 4(7.5,0) 5(10,0)
  silkscreen extent -2.4,-3.1 12.6,2.6, body extent -2.51,-3.39 12.52,2.36, height 7
DC-005A [mm]
  rrect50% 4x2 hole 1 slot 3 at 0 deg: 1(4.5,13.8) 2(4.5,7.5)
  rrect50% 2x4 hole 1 slot 3 at 90 deg: 3(9.1,10.8)
  silkscreen extent 0,0 9,13.84, body extent 0,0.02 9.5,13.84, height 11.02
DIODEAK [mm]
  round 1.6 / inner round 1.6 / far side round 2 hole 1.2: A(-5.08,0) K(5.08,0)
  silkscreen extent -4.06,-1.27 4.06,1.27, body extent -5.53,-1.3 5.53,1.3, height 3.3
DIP8 [mil]
  rect 50x50 hole 32: 1(0,0)
  round 50 hole 32: 2(0,-100) 3(0,-200) 4(0,-300) 5(300,-300) 6(300,-200) 7(300,-100) 8(300,0)
  silkscreen extent 50,-350 250,50, body extent -5,-364 305,66, height 188
DIP10 [mil]
  rect 50x50 hole 32: 1(-200,-150)
  round 50 hole 32: 2(-100,-150) 3(0,-150) 4(100,-150) 5(200,-150) 6(200,150) 7(100,150) 8(0,150) 9(-100,150) 10(-200,150)
  silkscreen extent -250,-100 267,100
E5MM [mm]
  oval 1.4x2 hole 0.9: 1(0,0) 2(2.54,0)
  silkscreen extent -1.33,-2.6 3.87,2.6
E8MM [mm]
  round 2 hole 1: 1(-2.54,0) 2(2.54,0)
  silkscreen extent -4,-4 4,4, body extent -4.01,-4.04 4.01,3.99, height 7
E10MM-13 [mm]
  round 2 hole 1: 1(-2.54,0) 2(2.54,0)
  silkscreen extent -5.08,-5.08 5.08,5.08, body extent -5.09,-5.09 5.09,5.09, height 13
EL-817 [mm]
  rect 2.5x1.5 smd: 1(0,0) 2(0,-2.54) 3(9,-2.54) 4(9,0)
  silkscreen extent 2,-3.5 7,1, body extent -0.52,-3.57 9.64,1.03, height 3.75
FC24LX [mm]
  rect 1.5x1.5 hole 0.9: 1(-13.97,-1.27)
  round 1.5 hole 0.9: 2(-13.97,1.27) 3(-11.43,-1.27) 4(-11.43,1.27) 5(-8.89,-1.27) 6(-8.89,1.27) 7(-6.35,-1.27) 8(-6.35,1.27) 9(-3.81,-1.27) 10(-3.81,1.27) 11(-1.27,-1.27) 12(-1.27,1.27) 13(1.27,-1.27) 14(1.27,1.27) 15(3.81,-1.27) 16(3.81,1.27) 17(6.35,-1.27) 18(6.35,1.27) 19(8.89,-1.27) 20(8.89,1.27) 21(11.43,-1.27) 22(11.43,1.27) 23(13.97,-1.27) 24(13.97,1.27)
  silkscreen extent -18.9,-5.01 18.54,4.5
FUSE6MM [mil]
  round 70 hole 32: 1(-120,0) 2(120,0)
  silkscreen extent -167,-47 169,47
HDR1X3 [mm] "Connector; Header; 3 Position"
  rect 1.5x1.5 hole 0.9: 1(0,0)
  round 1.5 hole 0.9: 2(2.54,0) 3(5.08,0)
  silkscreen extent -1.27,-1.27 6.35,1.27
HF115-5#1 [mm]
  round 2.1 hole 1.3: 1(-3.81,12.7) 2(3.81,12.7) 3(-3.81,-12.7) 3(3.81,-12.7) 4(-3.81,-7.62) 4(3.81,-7.62) 5(-3.81,-2.54) 5(3.81,-2.54)
  silkscreen extent -6.37,-14.01 6.33,14.99
HF115-5#2 [mm]
  round 2.1 hole 1.3: 1(-3.81,-12.7) 2(3.81,-12.7) 3(-3.81,12.7) 3(3.81,12.7) 4(-3.81,7.62) 4(3.81,7.62) 5(-3.81,2.54) 5(3.81,2.54)
  silkscreen extent -6.37,-14.99 6.33,14.01
L8MM [mm]
  round 2 hole 1: 1(-2.54,0) 2(2.54,0)
  silkscreen extent -4,-4 4,4, body extent -4.01,-4.04 4.01,3.99, height 7
LEDA [mil]
  oct 65x65 hole 32: A(0,0)
  round 65 hole 32: K(-100,0)
  silkscreen extent -131,-98 46,99
LM2575 [mm] "Power Scource"
  rect 1.07x2.5 smd: 1(-3.4,-4.889) 2(-1.7,-4.89) 3(0,-4.89) 4(1.7,-4.89) 5(3.4,-4.889)
  rect 10.8x12.41 smd: 3(0,4.89)
  silkscreen extent -5.99,-6.57 6.07,11.24